# Altium PCB canh_nang_ha_pcb.PcbDoc
Units mm, origin at the board's own origin, x right, y up, seen from the top; angles counter-clockwise.
Board outline 130 x 60 mm, 2 copper layers (Top Layer, Bottom Layer); 96 components, 65 nets, 340 pads, 104 vias.
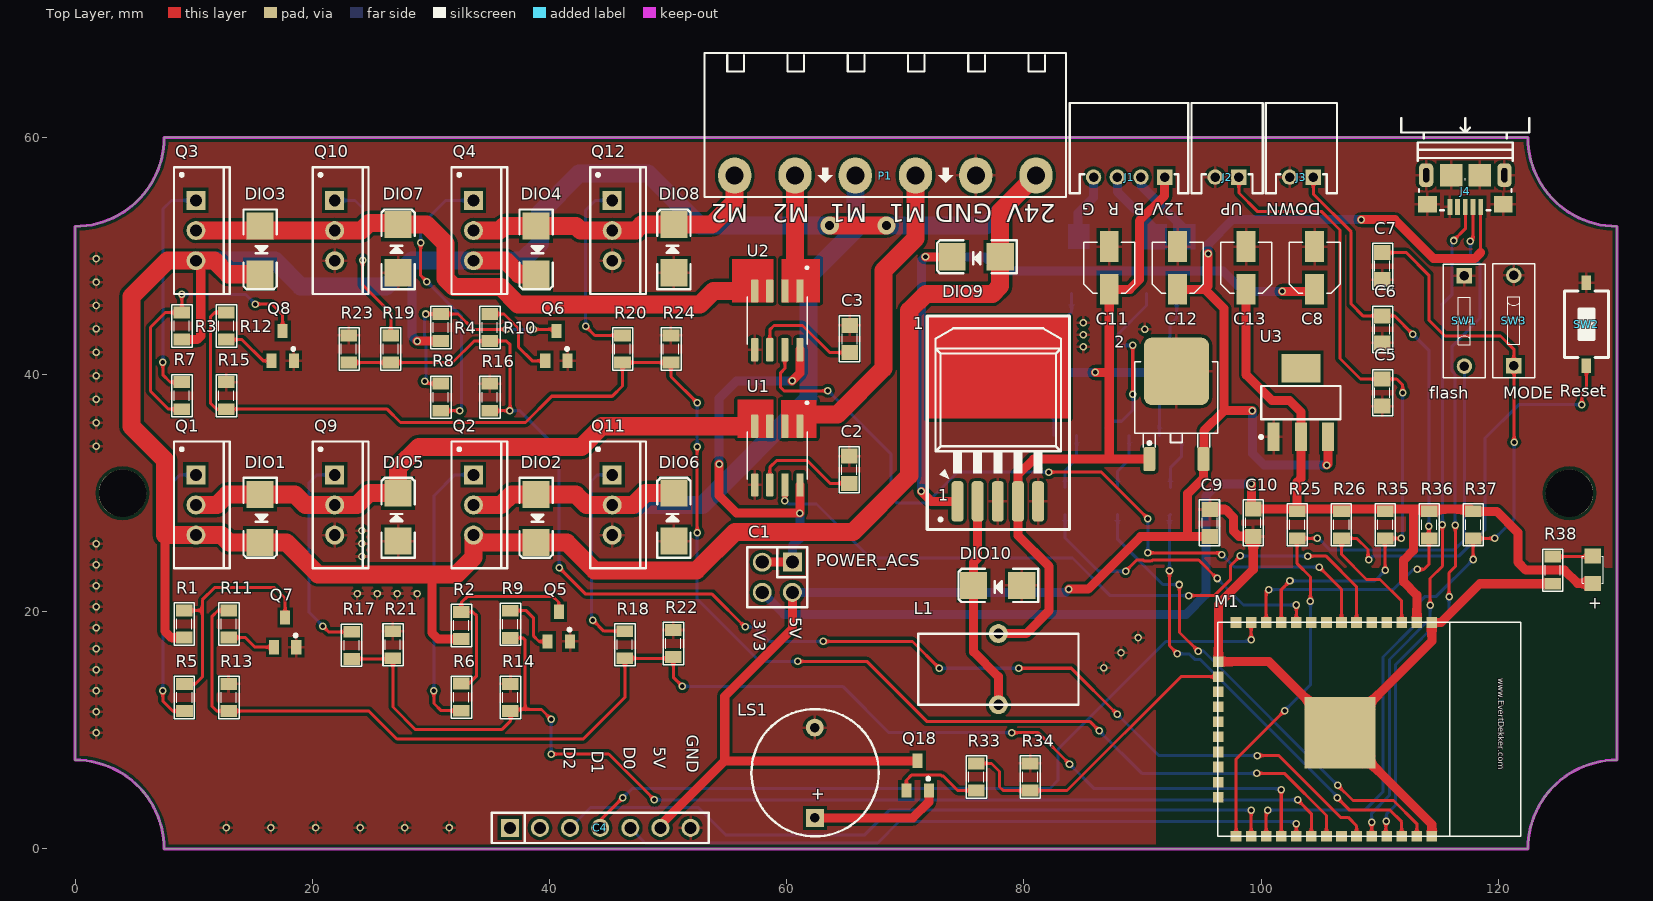
[diagram p0: Top Layer view]
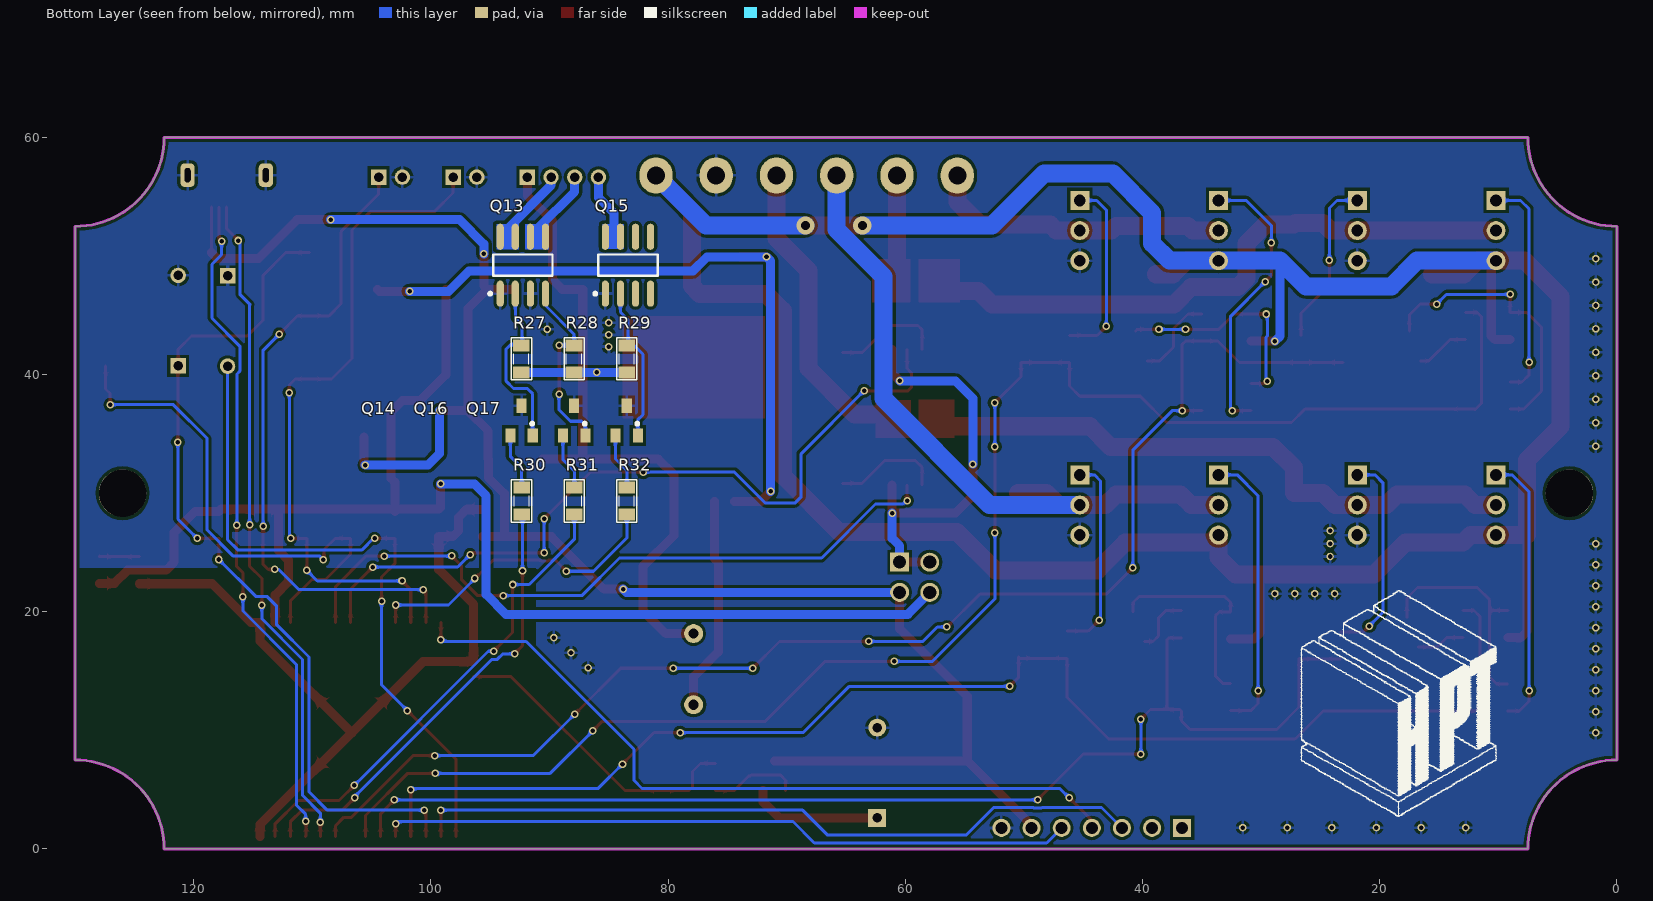
[diagram p1: Bottom Layer view, seen from below]

## Layer stack, top to bottom
Top Solder: solder mask 0.0102, Solder Resist, Dk 3.5
Top Layer: signal copper 0.0356
Dielectric 1: dielectric 0.32, FR-4, Dk 4.8
Bottom Layer: signal copper 0.0356
Bottom Solder: solder mask 0.0102, Solder Resist, Dk 3.5

## Board outline
7.5,0 ccw(c0,0) 0,7.5 0,52.5 ccw(c0,60) 7.5,60 122.5,60 ccw(c130,60) 130,52.5 130,7.5 ccw(c130,0) 122.5,0

## Design rules (kind name [scope] priority, off if disabled: settings)
Clearance [All] p1: gap=0.254
PolygonConnect [All] p1: connectstyle=Relief reliefconductorwidth=0.254 reliefentries=4 polygonreliefangle="90 Angle" airgapwidth=0.254
RoomDefinition power [InComponentClass('power')] p1: confinementstyle=ConfineIn formatcopy=TRUE lockcomponents=FALSE outline 151.994,78.486 277.597,78.486 277.597,98.044 151.994,98.044
RoomDefinition esp32 [InComponentClass('esp32')] p2: confinementstyle=ConfineIn formatcopy=TRUE lockcomponents=FALSE outline 151.994,33.147 380.594,33.147 380.594,77.216 151.994,77.216
RoomDefinition Bridge_H [InComponentClass('Bridge_H')] p3: confinementstyle=ConfineIn formatcopy=TRUE lockcomponents=FALSE outline 151.994,-1.651 447.142,-1.651 447.142,31.877 151.994,31.877
RoutingVias [All] p1: holewidth=0.381 width=0.635 viastyle="Through Hole" minholewidth=0.381 minwidth=0.635 maxholewidth=0.711 maxwidth=1.524
SolderMaskExpansion [All] p1: expansion=0.102
Width [All] p1: maxlimit=2.54 minlimit=0.254 preferedwidth=0.254
30 further rules are at their usual default settings.

## Classes and differential pairs
component class power: 1 2 + C8 C9 C10 C11 C12 C13 DIO9 DIO10 J4 L1 R38 U3
component class esp32: C4 C5 C6 C7 J1 J2 J3 LS1 M1 Q13 Q14 Q15 Q16 Q17 Q18 R25 R26 R27 R28 R29 R30 R31 R32 R33 R34 R35 R36 R37 SW1 SW2 SW3
component class Bridge_H: C1 C2 C3 DIO1 DIO2 DIO3 DIO4 DIO5 DIO6 DIO7 DIO8 P1 Q1 Q2 Q3 Q4 Q5 Q6 Q7 Q8 Q9 Q10 Q11 Q12 R1 R2 R3 R4 R5 R6 R7 R8 R9 R10 R11 R12 R13 R14 R15 R16 R17 R18 R19 R20 R21 R22 R23 R24 U1 U2

## Components (designator, comment, footprint, x,y, rotation, side; value= is the part's Value field where it differs from the comment)
1 "LM2576" TO263 77.419,35.281 r0 top
2 "LM78xx" TO252-123 92.862,36.576 r0 top
+ "LED" LED-0805-Blue 127.965,22.403 r90 top (schematic designator LED1)
C1 "JP2x2" JP2-D2T 59.207,22.911 r180 top
C2 "104" SM-CAP-0805 65.278,33.122 r270 top
C3 "104" SM-CAP-0805 65.303,44.145 r270 top
C4 "RF315-PT2272" RF315-2272 36.652,1.778 r0 top
C5 "104" SM-CAP-0805 110.236,37.338 r90 top
C6 "104" SM-CAP-0805 110.236,42.672 r90 top
C7 "104" SM-CAP-0805 110.236,48.006 r90 top
C8 "CN-ALU-SMD" CAP-ALU-SMD-4.5x5x1.4 104.521,48.997 r90 top
C9 "104" SM-CAP-0805 95.656,28.626 r270 top
C10 "104" SM-CAP-0805 99.339,26.365 r90 top
C11 "CN-ALU-SMD" CAP-ALU-SMD-4.5x5x1.4 87.198,48.997 r90 top
C12 "CN-ALU-SMD" CAP-ALU-SMD-4.5x5x1.4 92.972,48.997 r90 top
C13 "CN-ALU-SMD" CAP-ALU-SMD-4.5x5x1.4 98.747,48.997 r90 top
DIO1 "Diode SMD" DIO-SMD-106 15.596,27.864 r90 top
DIO2 "Diode SMD" DIO-SMD-106 38.862,27.864 r90 top
DIO3 "Diode SMD" DIO-SMD-106 15.596,50.495 r90 top
DIO4 "Diode SMD" DIO-SMD-106 38.862,50.495 r90 top
DIO5 "Diode SMD" DIO-SMD-106 27.229,27.991 r270 top
DIO6 "Diode SMD" DIO-SMD-106 50.495,27.991 r270 top
DIO7 "Diode SMD" DIO-SMD-106 27.229,50.622 r270 top
DIO8 "Diode SMD" DIO-SMD-106 50.495,50.622 r270 top
DIO9 "Diode SMD" DIO-SMD-106 75.971,49.936 r0 top
DIO10 "Diode SMD" DIO-SMD-106 77.787,22.225 r0 top
J1 "62000411722" 62000411722 88.875,59.106 r180 top
J2 "62000211722" 62000211722 97.13,59.106 r180 top
J3 "62000211722" 62000211722 103.403,59.106 r180 top
J4 "USB-5" USB-M4 117.221,56.82 r180 top
L1 "L-DIP-1" L-DIP-M-13.5x6 77.851,15.164 r90 top
LS1 "Speaker" SPEAKER 62.382,2.616 r90 top
M1 "ESP32S_Module" ESP32S 96.368,19.101 r270 top
P1 "Header 6" HED6T 81.026,56.794 r180 top
Q1 "IRF9540N" TO-220AB 10.185,29.007 r270 top
Q2 "IRF9540N" TO-220AB 33.587,29.007 r270 top
Q3 "IRF9540N" TO-220AB 10.185,52.146 r270 top
Q4 "IRF9540N" TO-220AB 33.587,52.146 r270 top
Q5 "C1815" SOT23B 40.792,18.745 r0 top
Q6 "C1815" SOT23B 40.589,42.418 r0 top
Q7 "C1815" SOT23B 17.704,18.263 r0 top
Q8 "C1815" SOT23B 17.501,42.418 r0 top
Q9 "IRF540" TO-220AB 21.886,29.007 r270 top
Q10 "IRF540" TO-220AB 21.886,52.146 r270 top
Q11 "IRF540" TO-220AB 45.288,29.007 r270 top
Q12 "IRF540" TO-220AB 45.288,52.146 r270 top
Q13 "IRF7311" SO-8_N 92.253,49.225 r90 bottom
Q14 "A1015" SOT23B 92.355,36.119 r180 bottom
Q15 "IRF7311" SO-8_N 83.388,49.225 r90 bottom
Q16 "A1015" SOT23B 87.923,36.119 r180 bottom
Q17 "A1015" SOT23B 83.491,36.119 r180 bottom
Q18 "C1815" SOT23B 71.044,6.181 r0 top
R1 "100K" RES-SMD-0805 9.195,18.974 r90 top
R2 "100K" RES-SMD-0805 32.563,18.847 r90 top
R3 "100K" RES-SMD-0805 8.992,44.094 r90 top
R4 "100K" RES-SMD-0805 30.836,43.967 r90 top
R5 "1K" RES-SMD-0805 9.22,12.776 r270 top
R6 "1K" RES-SMD-0805 32.563,12.802 r90 top
R7 "1K" RES-SMD-0805 8.992,38.227 r90 top
R8 "1K" RES-SMD-0805 30.836,38.1 r90 top
R9 "1K" RES-SMD-0805 36.703,18.948 r90 top
R10 "1K" RES-SMD-0805 34.976,43.967 r90 top
R11 "1K" RES-SMD-0805 12.954,18.974 r90 top
R12 "1K" RES-SMD-0805 12.751,44.094 r90 top
R13 "10K" RES-SMD-0805 12.954,12.776 r90 top
R14 "10K" RES-SMD-0805 36.703,12.776 r90 top
R15 "10K" RES-SMD-0805 12.751,38.227 r90 top
R16 "10K" RES-SMD-0805 34.976,38.1 r90 top
R17 "1K" RES-SMD-0805 23.317,17.17 r270 top
R18 "1K" RES-SMD-0805 46.355,17.221 r90 top
R19 "1K" RES-SMD-0805 26.619,42.164 r270 top
R20 "1K" RES-SMD-0805 46.152,42.164 r90 top
R21 "10K" RES-SMD-0805 26.797,17.221 r90 top
R22 "10K" RES-SMD-0805 50.444,17.323 r90 top
R23 "10K" RES-SMD-0805 23.089,42.164 r90 top
R24 "10K" RES-SMD-0805 50.241,42.164 r90 top
R25 "10K" RES-SMD-0805 103.048,27.33 r90 top
R26 "10K" RES-SMD-0805 106.782,27.33 r270 top
R27 "10K" RES-SMD-0805 92.368,41.326 r90 bottom
R28 "10K" RES-SMD-0805 87.936,41.326 r90 bottom
R29 "10K" RES-SMD-0805 83.503,41.326 r90 bottom
R30 "1K" RES-SMD-0805 92.343,29.337 r270 bottom
R31 "1K" RES-SMD-0805 87.91,29.337 r270 bottom
R32 "1K" RES-SMD-0805 83.478,29.337 r270 bottom
R33 "1K" RES-SMD-0805 75.997,6.071 r90 top
R34 "10K" RES-SMD-0805 80.518,6.071 r90 top
R35 "10K" RES-SMD-0805 110.465,27.33 r90 top
R36 "10K" RES-SMD-0805 114.173,27.33 r90 top
R37 "10K" RES-SMD-0805 117.881,27.33 r90 top
R38 "1K" RES-SMD-0805 124.587,23.508 r90 top
SW1 "flash" SW-DIP1-1 117.145,44.526 r180 top
SW2 "Reset" SW1-SMD 127.432,44.247 r90 top
SW3 "MODE" SW-DIP1-1 121.31,44.552 r0 top
U1 "ACS712ELCTR-05B-T" SOIC127P600X175-8N 59.207,33.172 r270 top
U2 "ACS712ELCTR-05B-T" SOIC127P600X175-8N 59.207,44.577 r270 top
U3 "LM1117-3.3V" SOT223 103.353,37.643 r0 top

## Footprints (in the part's own frame and the unit in brackets; to place one, negate y for a bottom-side part, rotate by r counter-clockwise, add the part's x,y. Pads: shape width x height; smd on the part's side, far side on the other; paste and mask are expansions set on the pad)
62000211722 [mm] "2.00mm Male Horizontal Shrouded Header, 2p"
  rect 1.3x1.3 hole 0.8: 1(-1,2.45)
  round 1.3 hole 0.8: 2(1,2.45)
  silkscreen extent -3,-3.8 3,3.8, body extent -3,-3.8 3,3.8, height 4.85
62000411722 [mm] "2.00mm Male Horizontal Shrouded Header, 4p"
  rect 1.3x1.3 hole 0.8: 1(-3,2.45)
  round 1.3 hole 0.8: 2(-1,2.45) 3(1,2.45) 4(3,2.45)
  silkscreen extent -5,-3.8 5,3.8, body extent -5,-3.8 5,3.8, height 4.85
CAP-ALU-SMD-4.5x5x1.4 [mm]
  rect 2.6x1.6 smd: 1(-1.8,0) 2(1.8,0)
  silkscreen extent -2.15,-2.15 2.15,2.15, body extent -2.5,-2.15 2.5,2.15, height 5.45
DIO-SMD-106 [mil]
  rect 90x90.55 smd: 1(80,0) 2(-80,0)
  silkscreen extent -130,-55 135,55, body extent -99,-50 106,52, height 95
ESP32S [mm] "ESP32S-Module"
  rect 0.9x0.9 smd: 1(0,18.034) 2(0,16.764) 3(0,15.494) 4(0,14.224) 5(0,12.954) 6(0,11.684) 7(0,10.414) 8(0,9.144) 9(0,7.874) 10(0,6.604) 11(0,5.334) 12(0,4.064) 13(0,2.794) 14(0,1.524) 15(3.3,0.034) 16(4.57,0.034) 17(5.84,0.034) 18(7.11,0.034) 19(8.38,0.034) 20(9.65,0.034) 21(10.92,0.034) 22(12.19,0.034) 23(13.46,0.034) 24(14.73,0.034) 25(18.034,1.524) 26(18.034,2.794) 27(18.034,4.064) 28(18.034,5.334) 29(18.034,6.604) 30(18.034,7.874) 31(18.034,9.144) 32(18.034,10.414) 33(18.034,11.684) 34(18.034,12.954) 35(18.034,14.224) 36(18.034,15.494) 37(18.034,16.764) 38(18.034,18.034)
  rect 6x6 smd: 101(9.3,10.3)
  silkscreen extent 0,0 18.03,25.53, body extent 0,0 18.03,25.53, height 2
HED6T [mil] "Header 4, 4 pin, hight 300mil, Pin to Pin 200, Colour Green"
  oval 110x120 hole 60: 1(0,0) 2(200,0) 3(400.06,0.06) 4(600.06,0.06) 5(800.12,0.12) 6(1000.45,0.46)
  silkscreen extent -100,-406 1100,71, body extent -100,-406 1094,66, height 334
JP2-D2T [mm] "4 pins, dual pin, straight, gold plating"
  rect 1.6x1.6 hole 1.1: 1(-1.27,-1.27)
  round 1.6 hole 1.1: 2(1.27,-1.27) 3(1.27,1.27) 4(-1.27,1.27)
  silkscreen extent -2.54,-2.54 2.54,2.54, body extent -2.54,-2.54 2.54,2.54, height 8.55
L-DIP-M-13.5x6 [mm] "Body 13.5x6mm, 2 leads"
  round 1.6 hole 0.85: 1(-3,0) 2(3,0)
  silkscreen extent -3,-6.75 3,6.75, body extent -3.62,-7.35 3.62,7.35, height 14.8
LED-0805-Blue [mil]
  rect 50x55 smd: 1(0,0) 2(90,0)
  silkscreen extent 0,-35 90,35, body extent 5,-25 85,25, height 43
RES-SMD-0805 [mil]
  rect 39.37x55 smd: 1(-45,0) 2(45,0)
  silkscreen extent -70,-34 70,33, body extent -39,-25 39,25, height 31
RF315-2272 [mm]
  rect 1.52x1.52 hole 1.02: 1(0,0)
  round 1.52 hole 1.02: 2(2.54,0) 3(5.08,0) 4(7.62,0) 5(10.16,0) 6(12.7,0) 7(15.24,0)
  silkscreen extent -1.52,-1.27 16.76,1.27, body extent -24.36,-1.47 16.76,5.53, height 30.31
SM-CAP-0805 [mil]
  rect 50x55 smd: 1(0,0) 2(90,0)
  silkscreen extent -32,-34 121,33, body extent 6,-25 84,25, height 31
SO-8_N [mm] "SOIC, 8-Leads, Body 4.9x3.9mm, Pitch 1.27mm, IPC Medium Density"
  oval 2.2x0.6 smd: 1(-2.4,1.905) 2(-2.4,0.635) 3(-2.4,-0.635) 4(-2.4,-1.905) 5(2.4,-1.905) 6(2.4,-0.635) 7(2.4,0.635) 8(2.4,1.905)
  silkscreen extent -2.52,-2.5 0.9,2.88, body extent -2,-2.5 2,2.5, height 1.75
SOIC127P600X175-8N [mm]
  rrect25% 1.97x0.6 smd: 1(-2.475,1.905) 2(-2.475,0.635) 3(-2.475,-0.635) 4(-2.475,-1.905) 5(2.475,-1.905) 6(2.475,-0.635) 7(2.475,0.635) 8(2.475,1.905)
  silkscreen extent -4.54,-2.52 2,2.6
SOT23B [mm] "SOT 23B"
  rect 0.85x1.2 smd: 1(0.94,-1.245) 2(0,1.25) 3(-0.95,-1.25)
  silkscreen extent 0.77,-0.38 1.02,-0.13, body extent -1.5,-1.3 1.5,1.2, height 1.06
SOT223 [mm]
  rect 1x2.4 smd: 1(-2.3,-2.9) 2(0,-2.9) 3(2.3,-2.9)
  rect 3.3x2.4 smd: 4(0,2.9)
  silkscreen extent -3.47,-3.02 3.35,1.4, body extent -3.25,-3.56 3.25,3.4, height 1.68
SPEAKER [mm]
  rect 1.5x1.5 hole 0.8: 1(0,0)
  round 1.5 hole 0.8: 2(7.62,0.013)
  silkscreen extent -1.55,-5.38 9.18,5.36, body extent -2.22,-6 13.24,6, height 4.5
SW1-SMD [mm]
  rect 1.2x0.8 smd: 1(-3.5,0) 2(3.5,0)
  silkscreen extent -2.82,-1.85 2.82,1.85, body extent -3.05,-1.85 3.05,1.85, height 2.5
SW-DIP1-1 [mm] "01p, 2.54mm Pitch, Horizontal, Box Type, THT, flat Actuator, red, without Tape, Tube"
  rect 1.3x1.3 hole 0.8: 1(0,-3.81)
  round 1.3 hole 0.8: 2(0,3.81)
  silkscreen extent -1.77,-4.8 1.77,4.8, body extent -1.77,-4.8 1.77,4.8, height 5.4
TO252-123 [mm]
  round 0.5 on Mech15: 0(0,0)
  rrect25% 1x2 smd: 1(-2.285,-3.7) 3(2.285,-3.7)
  rrect25% 5.5x5.7 smd: 2(0,3.7)
  silkscreen extent -3.5,-2.7 3.5,4.5, body extent -3.3,-3.95 3.3,5.76, height 2.31
TO263 [mm]
  rrect50% 1x3.4 smd: 1(-3.019,-5.969) 2(-1.319,-5.969) 4(2.081,-5.969) 5(3.781,-5.969)
  rrect50% 1x3.4 smd mask+0: 3(0.381,-5.969)
  Top Layer region: -5.568,1.016 6.432,1.016 6.432,9.65 -5.568,9.65
  silkscreen extent -5.57,-8.35 6.43,9.65, body extent -4.73,-6.84 5.43,7.8, height 4.57
TO-220AB [mm] "TO, Thru-Hole, Vertical, Heatsink Mounted; 3 In-Line Leads; Pitch 2.54 mm"
  rect 1.6x1.6 hole 1: 1(-2.54,0)
  round 1.6 hole 1: 2(0,0) 3(2.54,0)
  silkscreen extent -5.35,-1.85 5.35,2.85, body extent -5.4,-1.9 5.4,2.9, height 19.3
USB-M4 [mm]
  rect 0.4x1.35 smd mask+0.05: 1(-1.3,2.675) 2(-0.65,2.675) 3(0,2.675) 4(0.65,2.675) 5(1.3,2.675)
  rrect60% 1.2x2 hole 0.5 slot 1.2 at 90 deg: 5(-3.3,0) 5(3.3,0)
  rect 1.6x1.4 smd: 5(-3.2,2.45) 5(3.2,2.45)
  rect 1.9x1.9 smd paste-10: 5(-1.2,0) 5(1.2,0)
  silkscreen extent -5.4,-4.8 5.4,2.95, body extent -3.93,-2.76 3.93,2.9, height 2.85

## Part data
2: "Positive Voltage Regulator"
+: library part "LED SMD"
C1: "WR-PHD 2.54 mm Dual Socket Header"
C2 C3 C5 C6 C7 C9 C10: library part CN
C8 C11 C12 C13: "Polarized Capacitor (Axial)"
DIO1 DIO2 DIO3 DIO4 DIO5 DIO6 DIO7 DIO8 DIO9 DIO10: "Default Diode"
J1: "WR-WTB 2.00mm Male Horizontal Shrouded Header, 4p"
J2 J3: "WR-WTB 2.00mm Male Horizontal Shrouded Header, 2p"
L1: "Inductor"
LS1: "Loudspeaker"
M1: "Esp-32S"
P1: "Header, 6-Pin"
Q1 Q2 Q3 Q4: "HEXFET Power MOSFET"
Q5 Q6 Q7 Q8 Q18: "NPN 600mW, ECB"
Q9 Q10 Q11 Q12: "HEXFET N-Channel Power MOSFET"
Q13 Q15: library part IRF7101, "HEXFET Power MOSFET"
Q14 Q16 Q17: "PNP 600mW, ECB"
R1 R2 R3 R4 R5 R6 R7 R8 R9 R10 R11 R12 R13 R14 R15 R16 R17 R18 R19 R20 R21 R22 R23 R24 R25 R26 R27 R28 R29 R30 R31 R32 R33 R34 R35 R36 R37 R38: library part Res-SMD, "Resistor"
SW1 SW2 SW3: library part SW2, "Switch button 2 pin"
U1 U2: "Current Sensor 5A 1 Channel Hall Effect, Open Loop Bidirectional 8-SOIC _0.154, 3.90mm Width_"
U3: library part LM1117, "800mA Low-Dropout Linear Regulator"

## Free pads (board coordinates)
  round 4 hole 4: 0(4,30) 0(126,30)
  round 0.635 hole 0.381: 2(85.014,44.374) 3(85.014,43.358) 4(85.014,42.342) 5(90.195,43.815) 6(23.8,21.539) 7(25.476,21.539) 8(27.153,21.539) 9(28.829,21.539) 10(24.181,24.663) 11(24.181,25.756) 12(24.181,26.848) 13(1.778,49.784) 14(1.778,47.806) 15(1.778,45.828) 16(1.778,43.85) 17(1.778,41.872) 18(1.778,39.894) 19(1.778,37.916) 20(1.778,35.938) 21(1.778,33.96) 22(1.778,25.73) 23(1.778,23.961) 24(1.778,22.191) 25(1.778,20.422) 26(1.778,18.652) 27(1.778,16.883) 28(1.778,15.113) 29(1.778,13.343) 30(1.778,11.574) 31(1.778,11.574) 32(1.778,9.804) 33(12.751,1.803) 34(16.51,1.803) 35(20.269,1.803) 36(24.028,1.803) 37(27.788,1.803) 38(31.547,1.803) 39(89.637,17.831) 40(88.189,16.548) 41(86.741,15.265)

## Via types
v1: diameter 0.635, hole 0.381, Top Layer to Bottom Layer, tented both sides, 102 vias
v2: diameter 1.524, hole 0.762, Top Layer to Bottom Layer, 2 vias

## Nets (pads, with @x,y where several pads share a name; then routed paths per layer and width w, separated by ;. In a path a pad name is that pad's centre, name@x,y a point inside that pad or via, vN(x,y) a via of type N, cw(c..) or ccw(c..) an arc to the next point about the centre after c; other vN are vias at no path point)
3.3V: +.1 C1.3 C10.2 C13.1 M1.2 R25.2 R26.1 R35.2 R36.2 R37.2 U3.2 | length 118.3
  Top Layer w0.762: C13.1 98.747,39.988 100.914,37.821 102.387,37.821 103.353,36.855 U3.2 103.353,31.242 103.048,30.937 R25.2@103.048,28.651 ; v1(99.187,30.785) 99.187,28.804 C10.2 R25.2@103.048,28.651 ; R25.2 R25.2@103.048,28.651 ; 112.839,28.651 112.839,25.184 112.014,24.359 112.014,22.53 113.132,21.412 M1.2 ; +.1 126.695,22.403 125.582,23.516 122.331,23.516 121.666,24.181 121.666,26.67 119.863,28.473 R37.2 117.704,28.651 R25.2@103.048,28.651
  Bottom Layer w0.762: C1.3 59.792,19.787 93.676,19.787 95.352,21.462 95.352,22.402 95.339,22.415 95.339,29.781 96.342,30.785 v1(99.187,30.785)
5V: 2.3 C1.4 C4.6 C9.2 C12.1 J4.1 Q18.2 U3.3 | length 151.3
  Top Layer w0.254: 118.521,50.297 J4.1
  Top Layer w0.762: C4.6 49.352,2.007 54.776,7.431 ; C1.4 60.477,18.567 54.776,12.866 54.776,7.431 ; Q18.2 54.776,7.431 ; v1(83.795,21.92) 85.42,21.92 89.84,26.34 93.802,26.34 ; C12.1 95.247,47.197 ; v1(95.529,50.19) 95.529,47.479 95.247,47.197 ; C9.2 93.802,26.34 ; v1(99.238,36.957) 96.876,36.957 ; v1(105.537,32.36) 105.653,32.475 U3.3 ; v1(108.458,53.061) 111.277,53.061 114.554,49.784 118.008,49.784 118.521,50.297 ; 93.802,26.34 93.802,29.972 95.147,31.317 2.3 95.174,32.902 95.174,35.255 96.876,36.957 ; 95.247,47.197 96.876,45.568 96.876,36.957
  Bottom Layer w0.762: C1.4 83.515,21.641 v1(83.795,21.92) ; v1(95.529,50.19) 95.529,51.003 97.587,53.061 v1(108.458,53.061) ; v1(99.238,36.957) 99.263,36.982 99.263,33.35 100.254,32.36 v1(105.537,32.36)
12V: 1.4 2.1 C11.1 J1.1 L1.2 R27.1 R28.1 R29.1 | length 66
  Top Layer w0.762: L1.2 80.191,18.164 82.118,20.091 82.118,23.825 79.5,26.443 1.4 79.5,31.545 80.831,32.876 87.198,32.876 ; v1(86.03,40.183) 87.097,40.183 87.198,40.284 ; 2.1 87.198,32.876 ; J1.1 91.875,55.095 89.738,52.959 89.738,48.006 88.929,47.197 C11.1 87.198,40.284 ; 87.198,32.876 87.198,40.284
  Bottom Layer w0.762: R29.1 v1(86.03,40.183) R28.1 R27.1
24V: DIO1.2 DIO2.2 DIO3.2 DIO4.2 DIO9.1 P1.1 Q1.3 Q2.3 Q3.3 Q4.3 R1.1 R2.1 R3.1 R4.1 | length 259.3
  Top Layer w0.762: 7.569,26.467 7.569,18.364 8.103,17.831 R1.1 ; R3.1 10.287,42.951 10.592,43.256 10.592,49.2 Q3.3 ; v1(28.829,42.824) R4.1 ; 30.074,23.139 30.074,18.237 30.607,17.704 R2.1
  Top Layer w1.524: DIO3.2 12.903,48.463 11.76,49.606 Q3.3 7.772,49.606 4.75,46.584 4.75,35.636 7.569,32.817 7.569,26.467 Q1.3 12.344,26.467 12.979,25.832 DIO1.2 17.805,25.832 20.498,23.139 30.074,23.139 32.156,23.139 33.587,24.57 Q2.3 34.222,25.832 DIO2.2 41.453,25.832 43.815,23.47 52.375,23.47 55.651,26.746 65.583,26.746 70.333,31.496 70.333,45.39 71.755,46.812 77.343,46.812 78.003,47.473 DIO9.1 78.003,53.772 P1.1 ; Q4.3 36.271,49.606 37.414,48.463 DIO4.2 ; v2(63.627,52.578) v2(68.428,52.578)
  Bottom Layer w0.762: 28.397,49.606 28.397,43.256 v1(28.829,42.824)
  Bottom Layer w1.524: Q3.3 16.84,49.606 19.025,47.422 26.213,47.422 28.397,49.606 Q4.3 37.719,49.606 39.192,51.079 39.192,53.645 42.494,56.947 48.311,56.947 52.68,52.578 v2(63.627,52.578) ; v2(68.428,52.578) 76.81,52.578 P1.1
BTN_DOWN: C6.2 J3.1 M1.12 R36.1 | length 55.5
  Top Layer w0.254: M1.12 100.432,21.666 v1(100.635,21.869) ; J3.1 104.403,55.236 107.594,52.045 107.594,45.949 108.585,44.958 C6.2 111.252,44.958 v1(112.801,43.409) ; v1(113.157,23.571) 113.716,23.571 114.173,24.028 R36.1 114.148,26.213 v1(114.148,27.203)
  Bottom Layer w0.254: v1(100.635,21.869) 111.125,21.869 112.827,23.571 v1(113.157,23.571) ; v1(112.801,43.409) 114.148,42.062 v1(114.148,27.203)
BTN_UP: C5.2 J2.1 M1.11 R35.1 | length 57.7
  Top Layer w0.254: J2.1 98.13,55.312 99.67,53.772 105.08,53.772 106.655,52.197 106.655,41.351 108.382,39.624 C5.2 111.43,39.624 111.938,39.116 v1(111.938,38.481) ; M1.11 101.702,21.869 v1(102.438,22.606) ; v1(110.465,23.495) R35.1 v1(111.836,26.187)
  Bottom Layer w0.254: v1(102.438,22.606) 109.576,22.606 v1(110.465,23.495) ; v1(111.836,26.187) 111.938,26.086 v1(111.938,38.481)
GND: 1.3 1.5 2.2 C2.1 C3.1 C4.7 C5.1 C6.1 C7.1 C8.2 C9.1 C10.1 C11.2 C12.2 C13.2 DIO5.1 DIO6.1 DIO7.1 DIO8.1 DIO10.1 J2.2 J3.2 J4.5 LS1.2 M1.1 M1.15 M1.38 M1.101 P1.2 pad.2 pad.3 pad.4 pad.5 pad.6 pad.7 pad.8 pad.9 pad.10 pad.11 pad.12 pad.13 pad.14 pad.15 pad.16 pad.17 pad.18 pad.19 pad.20 pad.21 pad.22 pad.23 pad.24 pad.25 pad.26 pad.27 pad.28 pad.29 pad.30 pad.31 pad.32 pad.33 pad.34 pad.35 pad.36 pad.37 pad.38 pad.39 pad.40 pad.41 Q5.1 Q6.1 Q7.1 Q8.1 Q9.3 Q10.3 Q11.3 Q12.3 Q13.1 Q13.3 Q14.2 Q15.1 Q16.2 Q17.2 R13.2 R14.2 R15.2 R16.2 R21.2 R22.2 R23.2 R24.2 R34.2 R38.1 SW1.1 SW2.2 SW3.2 U1.5 U2.5 U3.1 | length 65.8
  Top Layer w0.762: C9.1 97.003,28.626 97.663,27.965 97.663,26.822 98.12,26.365 C10.1 99.339,23.571 96.402,20.633 M1.15 100.668,15.801 M1.101 ; M1.38 114.402,2.067 M1.101 ; R38.1 118.453,22.365 115.189,19.101 M1.1 114.402,17.535 M1.101
IP1+: DIO1.1 DIO5.2 Q1.2 Q9.2 U1.3 U1.4 | length 51.9
  Top Layer w1.524: Q1.2 11.938,29.007 12.827,29.896 DIO1.1 18.542,29.896 19.431,29.007 Q9.2 23.774,29.007 24.79,30.023 DIO5.2 27.229,32.156 28.981,33.909 42.697,33.909 44.436,35.647 U1.4
IP2+: DIO3.1 DIO7.2 Q3.2 Q10.2 U2.3 U2.4 | length 52.4
  Top Layer w1.524: Q3.2 Q10.2 24.13,52.146 24.765,52.781 27.102,52.781 DIO7.2 29.616,52.654 31.217,51.054 31.217,48.108 31.953,47.371 35.89,47.371 37.338,45.923 52.705,45.923 53.834,47.052 U2.4
L1: M1.28 R11.2 R13.1 R18.1 R22.1 | length 114.9
  Top Layer w0.254: R11.2 12.04,20.117 11.557,19.634 11.557,12.014 11.938,11.633 R13.1 24.765,11.633 27.127,9.271 42.85,9.271 46.355,12.776 R18.1 50.343,16.078 R22.1 50.444,14.478 v1(51.206,13.716) ; v1(78.994,9.804) 81.204,9.804 v1(83.845,7.163) ; M1.28 v1(101.702,5.004)
  Bottom Layer w0.254: v1(51.206,13.716) 64.719,13.716 68.631,9.804 v1(78.994,9.804) ; v1(83.845,7.163) 85.928,5.08 101.625,5.08 v1(101.702,5.004)
L2: M1.30 R9.1 R14.1 R17.2 R21.1 | length 101.5
  Top Layer w0.254: R17.2 26.746,16.027 R21.1 26.797,11.963 28.702,10.058 35.966,10.058 36.728,10.82 36.728,11.608 R14.1 36.83,11.76 37.948,11.76 ; R9.1 37.744,17.805 37.948,17.602 37.948,11.76 ; v1(40.132,8.001) 44.983,8.001 v1(48.844,4.14) ; v1(40.132,10.947) 39.319,11.76 37.948,11.76 ; v1(103.073,4.14) 104.242,2.972 M1.30
  Bottom Layer w0.254: v1(40.132,8.001) v1(40.132,10.947) ; v1(48.844,4.14) v1(103.073,4.14)
L3: M1.31 R12.2 R15.1 R20.1 R24.1 | length 134.8
  Top Layer w0.254: R12.2 11.76,45.237 11.43,44.907 11.43,37.567 11.913,37.084 R15.1 26.314,37.084 27.432,35.966 37.973,35.966 40.183,38.176 45.288,38.176 46.152,39.04 R20.1 R24.1 50.241,39.827 v1(52.451,37.617) ; v1(52.451,26.67) v1(52.451,33.934) ; v1(60.935,15.824) 66.751,15.824 71.806,10.77 85.547,10.77 v1(86.36,9.957) ; v1(99.619,6.375) 101.956,6.375 105.512,2.819 M1.31
  Bottom Layer w0.254: v1(52.451,26.67) 52.451,21.082 57.709,15.824 v1(60.935,15.824) ; v1(52.451,33.934) v1(52.451,37.617) ; v1(86.36,9.957) 89.941,6.375 v1(99.619,6.375)
L4: M1.33 R10.1 R16.1 R19.2 R23.1 | length 114.3
  Top Layer w0.254: R23.1 R19.2 31.826,41.021 33.63,42.824 R10.1 36.373,42.824 36.678,42.52 36.678,36.957 v1(36.652,36.957) R16.1 ; v1(40.818,23.724) 43.053,21.488 53.721,21.488 v1(56.49,18.72) ; v1(63.094,17.501) 70.612,17.501 v1(72.873,15.24) ; v1(79.553,15.24) 83.998,15.24 v1(87.859,11.379) ; v1(99.695,7.874) 101.498,7.874 106.705,2.667 107.34,2.667 108.052,1.956 M1.33
  Bottom Layer w0.254: v1(36.652,36.957) 37.49,36.957 40.818,33.63 v1(40.818,23.724) ; v1(56.49,18.72) 57.302,18.72 58.522,17.501 v1(63.094,17.501) ; v1(72.873,15.24) v1(79.553,15.24) ; v1(87.859,11.379) 91.364,7.874 v1(99.695,7.874)
LEDB: M1.36 R30.2 | length 38.1
  Top Layer w0.254: v1(92.278,23.444) 92.278,17.145 92.913,16.51 v1(92.913,16.459) ; v1(106.426,4.318) 107.467,3.277 110.871,3.277 111.862,2.286 M1.36
  Bottom Layer w0.254: v1(92.278,23.444) 92.278,28.079 92.253,28.104 R30.2 ; v1(92.913,16.459) 93.932,16.459 94.402,15.989 94.859,15.989 106.426,4.422 v1(106.426,4.318)
LEDG: M1.10 R32.2 | length 26.1
  Top Layer w0.254: v1(88.57,23.419) 89.51,24.359 90.071,24.359 90.16,24.27 90.739,24.27 90.828,24.359 94.742,24.359 v1(96.291,22.809) ; M1.10 v1(102.972,20.574)
  Bottom Layer w0.254: R32.2 83.478,26.225 86.284,23.419 v1(88.57,23.419) ; v1(96.291,22.809) 98.527,20.574 v1(102.972,20.574)
LEDR: M1.37 R31.2 | length 40.7
  Top Layer w0.254: v1(93.116,22.301) 93.116,18.263 v1(94.691,16.688) ; v1(106.477,5.359) 107.747,4.089 111.176,4.089 113.132,2.134 M1.37
  Bottom Layer w0.254: R31.2 87.91,26.11 91.719,22.301 v1(93.116,22.301) ; v1(94.691,16.688) 95.148,16.688 v1(106.477,5.359)
LOA: M1.16 R33.2 R34.1 | length 26.1
  Top Layer w0.254: R33.2 77.267,7.214 77.953,6.528 77.953,5.232 78.257,4.928 R34.1 83.642,4.928 93.245,14.531 M1.16
MODE: C7.2 M1.27 R37.1 SW3.1 | length 72.9
  Top Layer w0.254: M1.27 100.432,3.15 v1(100.559,3.277) ; C7.2 112.243,50.292 114.148,48.387 114.148,44.602 115.494,43.256 120.193,43.256 121.31,42.139 SW3.1 121.336,40.716 v1(121.336,34.315) ; v1(117.881,24.409) R37.1 v1(119.71,26.187)
  Bottom Layer w0.254: v1(100.559,3.277) 108.737,3.277 110.287,4.826 110.287,16.18 113.005,18.898 113.005,20.472 113.843,21.311 114.783,21.311 v1(117.881,24.409) v1@117.907,24.384 ; v1(119.71,26.187) 121.336,27.813 v1(121.336,34.315)
MOTOR1+: P1.3 U1.1 U1.2 | length 26.1
  Top Layer w1.524: 61.011,36.652 64.287,36.652 68.174,40.538 68.174,48.793 70.864,51.484 P1.3
MOTOR1-: DIO2.1 DIO6.2 P1.4 Q2.2 Q11.2 | length 58.8
  Top Layer w1.524: Q2.2 35.89,29.007 36.779,29.896 DIO2.1 42.215,29.896 43.104,29.007 Q11.2 47.092,29.007 48.108,30.023 DIO6.2
  Bottom Layer w1.524: Q11.2 52.883,29.007 61.849,37.973 61.849,48.286 65.784,52.221 P1.4
MOTOR2+: P1.5 U2.1 U2.2 | length 8.6
  Top Layer w1.524: 60.703,48.212 P1.5
MOTOR2-: DIO4.1 DIO8.2 P1.6 Q4.2 Q12.2 | length 25.6
  Top Layer w1.524: Q4.2 35.789,52.146 36.17,52.527 DIO4.1 42.24,52.527 42.621,52.146 Q12.2 47.269,52.146 47.777,52.654 DIO8.2 53.696,52.654 55.614,54.573 P1.6
Net1_1: 1.1 C8.1 DIO9.2 | length 59.7
  Top Layer w0.762: v1(71.349,30.15) 72.187,29.312 1.1 ; v1(71.704,49.936) DIO9.2 ; v1(101.803,47.015) 104.34,47.015 C8.1
  Bottom Layer w0.762: v1(71.349,30.15) 71.349,49.581 v1(71.704,49.936) 76.708,49.936 77.902,48.743 96.774,48.743 98.501,47.015 v1(101.803,47.015)
Net1_2: 1.2 DIO10.2 L1.1 | length 18.2
  Top Layer w0.762: 1.2 76.1,24.513 75.755,24.168 DIO10.2 75.755,16.624 77.851,14.529 L1.1
NetC2_2: C2.2 U1.6 | length 9.2
  Top Layer w0.254: U1.6 58.572,32.182 59.131,32.741 61.747,32.741 63.652,30.836 C2.2
NetC3_2: C3.2 U2.6 | length 9.5
  Top Layer w0.254: U2.6 58.572,43.79 58.928,44.145 61.341,44.145 63.627,41.859 C3.2
NetJ1_2: J1.2 Q13.7 Q13.8 | length 6.6
  Bottom Layer w0.762: J1.2 89.875,55.972 93.574,52.273 93.574,51.613
NetJ1_3: J1.3 Q13.5 Q13.6 | length 6.5
  Bottom Layer w0.762: J1.3 87.875,55.432 90.983,52.324 90.983,51.486
NetJ1_4: J1.4 Q15.7 Q15.8 | length 6.2
  Bottom Layer w0.762: 84.785,51.562 84.557,51.333 84.557,53.619 85.875,54.937 J1.4
NetLED1_2: +.2 R38.2 | length 3.4
  Top Layer w0.254: R38.2 127.927,24.651 +.2
NetLS1_1: LS1.1 Q18.1 | length 11.1
  Top Layer w0.762: LS1.1 70.637,2.616 71.984,3.962 Q18.1
NetM1_3: M1.3 R26.2 SW2.1 | length 44.7
  Top Layer w0.254: v1(109.068,24.384) 109.017,24.435 109.017,25.248 108.077,26.187 R26.2 106.782,24.841 108.89,22.733 110.033,22.733 111.862,20.904 M1.3 ; v1(127.051,37.465) 127.051,38.405 127.432,38.786 SW2.1
  Bottom Layer w0.254: v1(109.068,24.384) 109.372,24.689 116.662,24.689 118.872,26.899 118.872,34.62 121.717,37.465 v1(127.051,37.465)
NetM1_25: M1.25 R25.1 SW1.2 | length 57.7
  Top Layer w0.254: M1.25 97.892,7.569 v1(101.981,11.659) ; v1(104.165,20.904) 104.165,22.936 103.048,24.054 R25.1 v1(104.75,26.187)
  Bottom Layer w0.254: v1(101.981,11.659) 104.165,13.843 v1(104.165,20.904) ; v1(104.75,26.187) 104.8,26.238 105.842,25.197 116.256,25.197 117.145,26.086 SW1.2
NetQ1_1: Q1.1 R5.2 | length 23.2
  Top Layer w0.254: v1(7.391,13.335) 7.391,12.471 8.23,11.633 R5.2
  Bottom Layer w0.254: v1(7.391,13.335) 7.391,30.099 8.839,31.547 Q1.1
NetQ2_1: Q2.1 R6.1 | length 24.2
  Top Layer w0.254: v1(30.251,13.335) 30.251,12.268 30.861,11.659 R6.1
  Bottom Layer w0.254: v1(30.251,13.335) 30.251,29.794 32.004,31.547 Q2.1
NetQ3_1: Q3.1 R7.2 | length 18.9
  Top Layer w0.254: v1(7.391,41.046) 7.391,39.98 8.001,39.37 R7.2
  Bottom Layer w0.254: v1(7.391,41.046) 7.417,41.072 7.417,53.975 8.128,54.686 Q3.1
NetQ4_1: Q4.1 R8.1 | length 24.3
  Top Layer w0.254: v1(29.134,51.105) 29.134,48.362 v1(29.667,47.828) ; R8.1 v1(32.436,36.957)
  Bottom Layer w0.254: v1(29.134,51.105) 29.134,52.578 31.242,54.686 Q4.1 ; v1(29.667,47.828) 32.563,44.933 32.563,36.83 v1(32.436,36.957)
NetQ5_2: Q5.2 R2.2 R6.2 | length 18.3
  Top Layer w0.254: R6.2 33.198,13.945 33.858,14.605 33.858,19.66 33.528,19.99 R2.2 32.563,20.777 33.096,21.311 40.259,21.311 40.792,20.777 Q5.2
NetQ5_3: Q5.3 R9.2 | length 5.1
  Top Layer w0.254: R9.2 38.049,20.091 38.633,19.507 38.633,17.983 39.121,17.495 Q5.3
NetQ6_2: Q6.2 R4.2 R8.2 | length 19.1
  Top Layer w0.254: v1(29.464,39.446) 29.667,39.243 R8.2 ; v1(29.566,45.11) R4.2 32.283,45.11 33.579,43.815 v1(36.373,43.815) ; v1(38.608,43.815) 40.442,43.815 Q6.2
  Bottom Layer w0.254: v1(29.464,39.446) 29.591,39.573 29.591,43.14 29.464,43.267 29.464,45.212 v1(29.566,45.11) ; v1(36.373,43.815) v1(38.608,43.815)
NetQ6_3: Q6.3 R10.2 | length 7.2
  Top Layer w0.254: R10.2 36.17,45.11 37.389,43.891 37.389,42.316 38.537,41.168 Q6.3
NetQ7_2: Q7.2 R1.2 R5.1 | length 19.2
  Top Layer w0.254: R1.2 10.719,20.117 ; R5.1 10.135,13.919 10.719,14.503 10.719,20.117 ; Q7.2 17.704,21.158 16.815,22.047 11.76,22.047 10.719,21.006 10.719,20.117
NetQ7_3: Q7.3 R11.1 | length 4.1
  Top Layer w0.254: R11.1 14.351,17.831 15.169,17.013 Q7.3
NetQ8_2: Q8.2 R3.2 R7.1 | length 23.9
  Top Layer w0.254: R7.1 7.874,37.084 6.35,38.608 6.35,43.993 7.595,45.237 R3.2 v1(8.992,46.761) ; v1(15.189,45.949) 16.586,45.949 17.501,45.034 Q8.2
  Bottom Layer w0.254: v1(8.992,46.761) 14.376,46.761 v1(15.189,45.949)
NetQ8_3: Q8.3 R12.1 | length 4.5
  Top Layer w0.254: R12.1 14.072,42.951 15.855,41.168 Q8.3
NetQ9_1: Q9.1 R17.1 | length 17.6
  Top Layer w0.254: v1(20.879,18.796) 21.361,18.313 R17.1
  Bottom Layer w0.254: v1(20.879,18.796) 19.736,19.939 19.736,30.886 20.396,31.547 Q9.1
NetQ10_1: Q10.1 R19.1 | length 14.3
  Top Layer w0.254: v1(24.232,49.657) 24.232,47.574 26.619,45.187 R19.1
  Bottom Layer w0.254: Q10.1 23.597,54.686 24.232,54.051 v1(24.232,49.657)
NetQ11_1: Q11.1 R18.2 | length 16.8
  Top Layer w0.254: v1(43.663,19.279) 44.577,18.364 R18.2
  Bottom Layer w0.254: v1(43.663,19.279) 43.536,19.406 43.536,31.039 44.044,31.547 Q11.1
NetQ12_1: Q12.1 R20.2 | length 15.8
  Top Layer w0.254: v1(43.053,44.069) 43.815,43.307 R20.2
  Bottom Layer w0.254: v1(43.053,44.069) 43.053,53.873 43.866,54.686 Q12.1
NetQ13_2: Q13.2 Q14.1 R27.2 | length 14.9
  Bottom Layer w0.254: Q14.1 91.416,38.38 91.872,38.837 93.04,38.837 93.65,39.446 93.65,42.164 93.281,42.533 92.304,42.533 92.304,44.196 92.888,44.78 Q13.2
NetQ13_4: Q13.4 Q16.1 R28.2 | length 15.7
  Top Layer w0.254: v1(89.179,38.354) v1(89.179,42.469)
  Bottom Layer w0.254: Q16.1 86.983,35.751 87.3,36.068 88.24,36.068 89.205,37.033 89.205,38.329 v1(89.179,38.354) ; v1(89.179,42.469) R28.2 87.936,43.41 90.348,45.822 Q13.4
NetQ14_3: Q14.3 R30.1 | length 4.8
  Bottom Layer w0.254: R30.1 92.343,32.145 93.305,33.107 Q14.3
NetQ15_2: Q15.2 Q17.1 R29.2 | length 13.4
  Bottom Layer w0.254: Q17.1 82.551,36.194 82.118,36.627 82.118,41.707 82.88,42.469 R29.2 83.363,42.609 83.363,44.602 84.023,45.263 Q15.2
NetQ16_3: Q16.3 R31.1 | length 4.8
  Bottom Layer w0.254: R31.1 87.91,31.878 88.873,32.841 Q16.3
NetQ17_3: Q17.3 R32.1 | length 4.8
  Bottom Layer w0.254: R32.1 83.478,31.916 84.441,32.879 Q17.3
NetQ18_3: Q18.3 R33.1 | length 7.5
  Top Layer w0.254: Q18.3 70.094,5.806 70.51,6.223 73,6.223 73.05,6.172 73.177,6.172 74.422,4.928 R33.1
RF0: C4.5 M1.29 | length 58.6
  Top Layer w0.254: M1.29 v1(102.972,2.134)
  Bottom Layer w0.254: C4.5 48.082,0.508 67.666,0.508 69.469,2.311 102.794,2.311 v1(102.972,2.134)
RF1: C4.4 M1.13 | length 64.8
  Top Layer w0.254: C4.4 44.272,2.413 v1(46.177,4.318) ; v1(99.162,17.653) M1.13
  Bottom Layer w0.254: v1(46.177,4.318) 46.965,5.105 82.194,5.105 82.88,5.791 82.88,8.407 91.973,17.501 99.009,17.501 v1(99.162,17.653)
RF2: C4.3 M1.26 | length 62.2
  Top Layer w0.254: M1.26 v1(99.162,3.277)
  Bottom Layer w0.254: C4.3 43.459,3.505 48.491,3.505 48.555,3.442 49.134,3.442 49.197,3.505 52.553,3.505 54.889,1.168 66.548,1.168 68.656,3.277 v1(99.162,3.277)
RF3: C4.2
RX: J4.2 M1.35 | length 57.3
  Top Layer w0.254: v1(110.566,2.337) 110.515,2.286 110.515,1.143 M1.35 ; v1(115.849,21.26) 115.849,23.292 116.383,23.825 v1(116.383,27.28) ; v1(117.653,51.232) 117.871,51.45 J4.2
  Bottom Layer w0.254: v1(110.566,2.337) 110.566,2.921 111.328,3.683 111.328,15.545 115.849,20.066 v1(115.849,21.26) ; v1(116.383,27.28) 116.205,27.28 116.357,27.432 116.357,40.046 116.114,40.289 116.114,42.403 118.466,44.755 118.466,49.301 117.653,50.114 v1(117.653,51.232)
TX: J4.3 M1.34 | length 56.4
  Top Layer w0.254: M1.34 v1(109.322,2.235) ; v1(114.249,20.549) 114.249,22.809 115.291,23.851 v1(115.291,27.356) ; v1(116.23,51.308) 117.221,52.299 J4.3
  Bottom Layer w0.254: v1(109.322,2.235) 109.322,3.023 110.82,4.521 110.82,15.977 114.249,19.406 v1(114.249,20.549) ; v1(115.291,27.356) 115.291,45.847 115.24,45.898 116.114,46.772 116.114,51.191 v1(116.23,51.308)
VCC_ACS: C1.1 C1.2 U1.8 U2.8 | length 34.6
  Top Layer w0.762: v1(54.305,32.461) 54.305,29.794 55.778,28.321 v1(61.112,28.321) U1.8 ; C1.2 C1.1 ; v1(60.452,39.472) 61.112,40.132 U2.8
  Bottom Layer w0.762: v1(54.305,32.461) 54.305,37.998 55.778,39.472 v1(60.452,39.472) ; C1.1 60.477,25.552 61.112,26.187 v1(61.112,28.321)
VI1OUT: M1.6 U1.7 | length 59
  Top Layer w0.254: v1(59.842,29.362) U1.7 ; v1(93.904,21.361) 96.052,21.361 97.434,22.744 97.434,23.901 v1(98.247,24.714) ; v1(103.937,24.689) 105.486,24.689 108.052,22.123 M1.6
  Bottom Layer w0.254: v1(59.842,29.362) 59.919,29.362 60.198,29.083 62.509,29.083 67.056,24.536 84.099,24.536 87.274,21.361 v1(93.904,21.361) ; v1(98.247,24.714) 98.273,24.689 v1(103.937,24.689)
VI2OUT: M1.7 U2.7 | length 66.5
  Top Layer w0.254: U2.7 59.842,40.513 59.487,40.157 59.487,38.913 59.766,38.633 v1(63.475,38.633) ; v1(82.093,31.775) 86.538,31.775 v1(90.449,27.864) ; v1(90.449,24.968) 96.545,24.968 v1(96.698,24.816) ; v1(104.902,23.774) 106.782,21.895 M1.7
  Bottom Layer w0.254: v1(63.475,38.633) 68.783,33.325 68.783,29.693 69.317,29.159 71.78,29.159 74.397,31.775 v1(82.093,31.775) ; v1(90.449,24.968) v1(90.449,27.864) ; v1(96.698,24.816) 97.739,23.774 v1(104.902,23.774)
pads on no net: 2.0 C4.1 J4.4 M1.4 M1.5 M1.8 M1.9 M1.14 M1.17 M1.18 M1.19 M1.20 M1.21 M1.22 M1.23 M1.24 M1.32 Q15.3 Q15.4 Q15.5 Q15.6 U3.4

## Polygon pours and split planes (outlines as drawn)
GND on Top Layer "Top Layer-No Net" (solid, remove dead copper, pour order 0): 0,7.5 0,60 122.5,60 130,52.5 130,23.724 91.11,23.724 91.11,0 7.5,0
GND on Bottom Layer "Top Layer-No Net" (solid, remove dead copper, pour order 2): 0,7.5 0,60 122.5,60 130,52.5 130,23.724 91.11,23.724 91.11,0 7.5,0

## Keep-outs
Keep-Out Layer:
  the board outline again, w0.254

## Other copper
Top Layer:
  rectangle net MOTOR2+: 59.563,46.076 62.789,49.759
  rectangle net IP1+: 55.855,34.671 58.877,37.897
  rectangle net MOTOR1+: 59.538,34.671 62.509,37.871
  rectangle net IP2+: 55.397,46.076 58.877,49.733
Bottom Layer:
  rectangle net NetJ1_4: 83.718,50.597 85.547,52.705
  rectangle net NetJ1_3: 90.043,50.546 92.05,52.705
  rectangle net NetJ1_2: 92.583,50.546 94.488,52.705

## Silkscreen, mask and mechanical layers (free items; w line width, h text height)
Top Overlay:
  text "G" at 85.979,54.432 h1.02 r180
  text "R" at 88.036,54.432 h1.02 r180
  text "B" at 90.195,54.432 h1.02 r180
  text "12V" at 93.574,54.432 h1.02 r180
  text "UP" at 98.476,54.432 h1.02 r180
  text "DOWN" at 105.029,54.432 h1.02 r180
  text "M2" at 56.744,54.381 h1.52 r180
  text "M2" at 61.951,54.381 h1.52 r180
  text "M1" at 66.802,54.381 h1.52 r180
  text "M1" at 71.78,54.381 h1.52 r180
  text "GND" at 77.318,54.381 h1.52 r180
  text "24V" at 82.702,54.381 h1.52 r180
  text "POWER_ACS" at 62.484,23.851 h1.02
  text "5V" at 60.249,19.558 h1.02 r270
  text "3V3" at 57.226,19.355 h1.02 r270
  text "GND" at 51.562,9.652 h1.02 r270
  text "D2" at 41.199,8.636 h1.02 r270
  text "D0" at 46.253,8.636 h1.02 r270
  text "5V" at 48.768,8.636 h1.02 r270
  text "D1" at 43.561,8.298 h1.02 r270
Bottom Overlay:
  drawing of 2330 lines, arcs and shapes, not listed

## Text inside footprints (layer, text, board x,y; h text height)
LS1: Top Overlay "+" at 63.094,4.026 h1.02 r90
M1: Top Overlay "www.EvertDekker.com" at 119.99,14.402 h0.5 r270